# KiCad board RV523_CellTestBoard.final.kicad_pcb (continued)
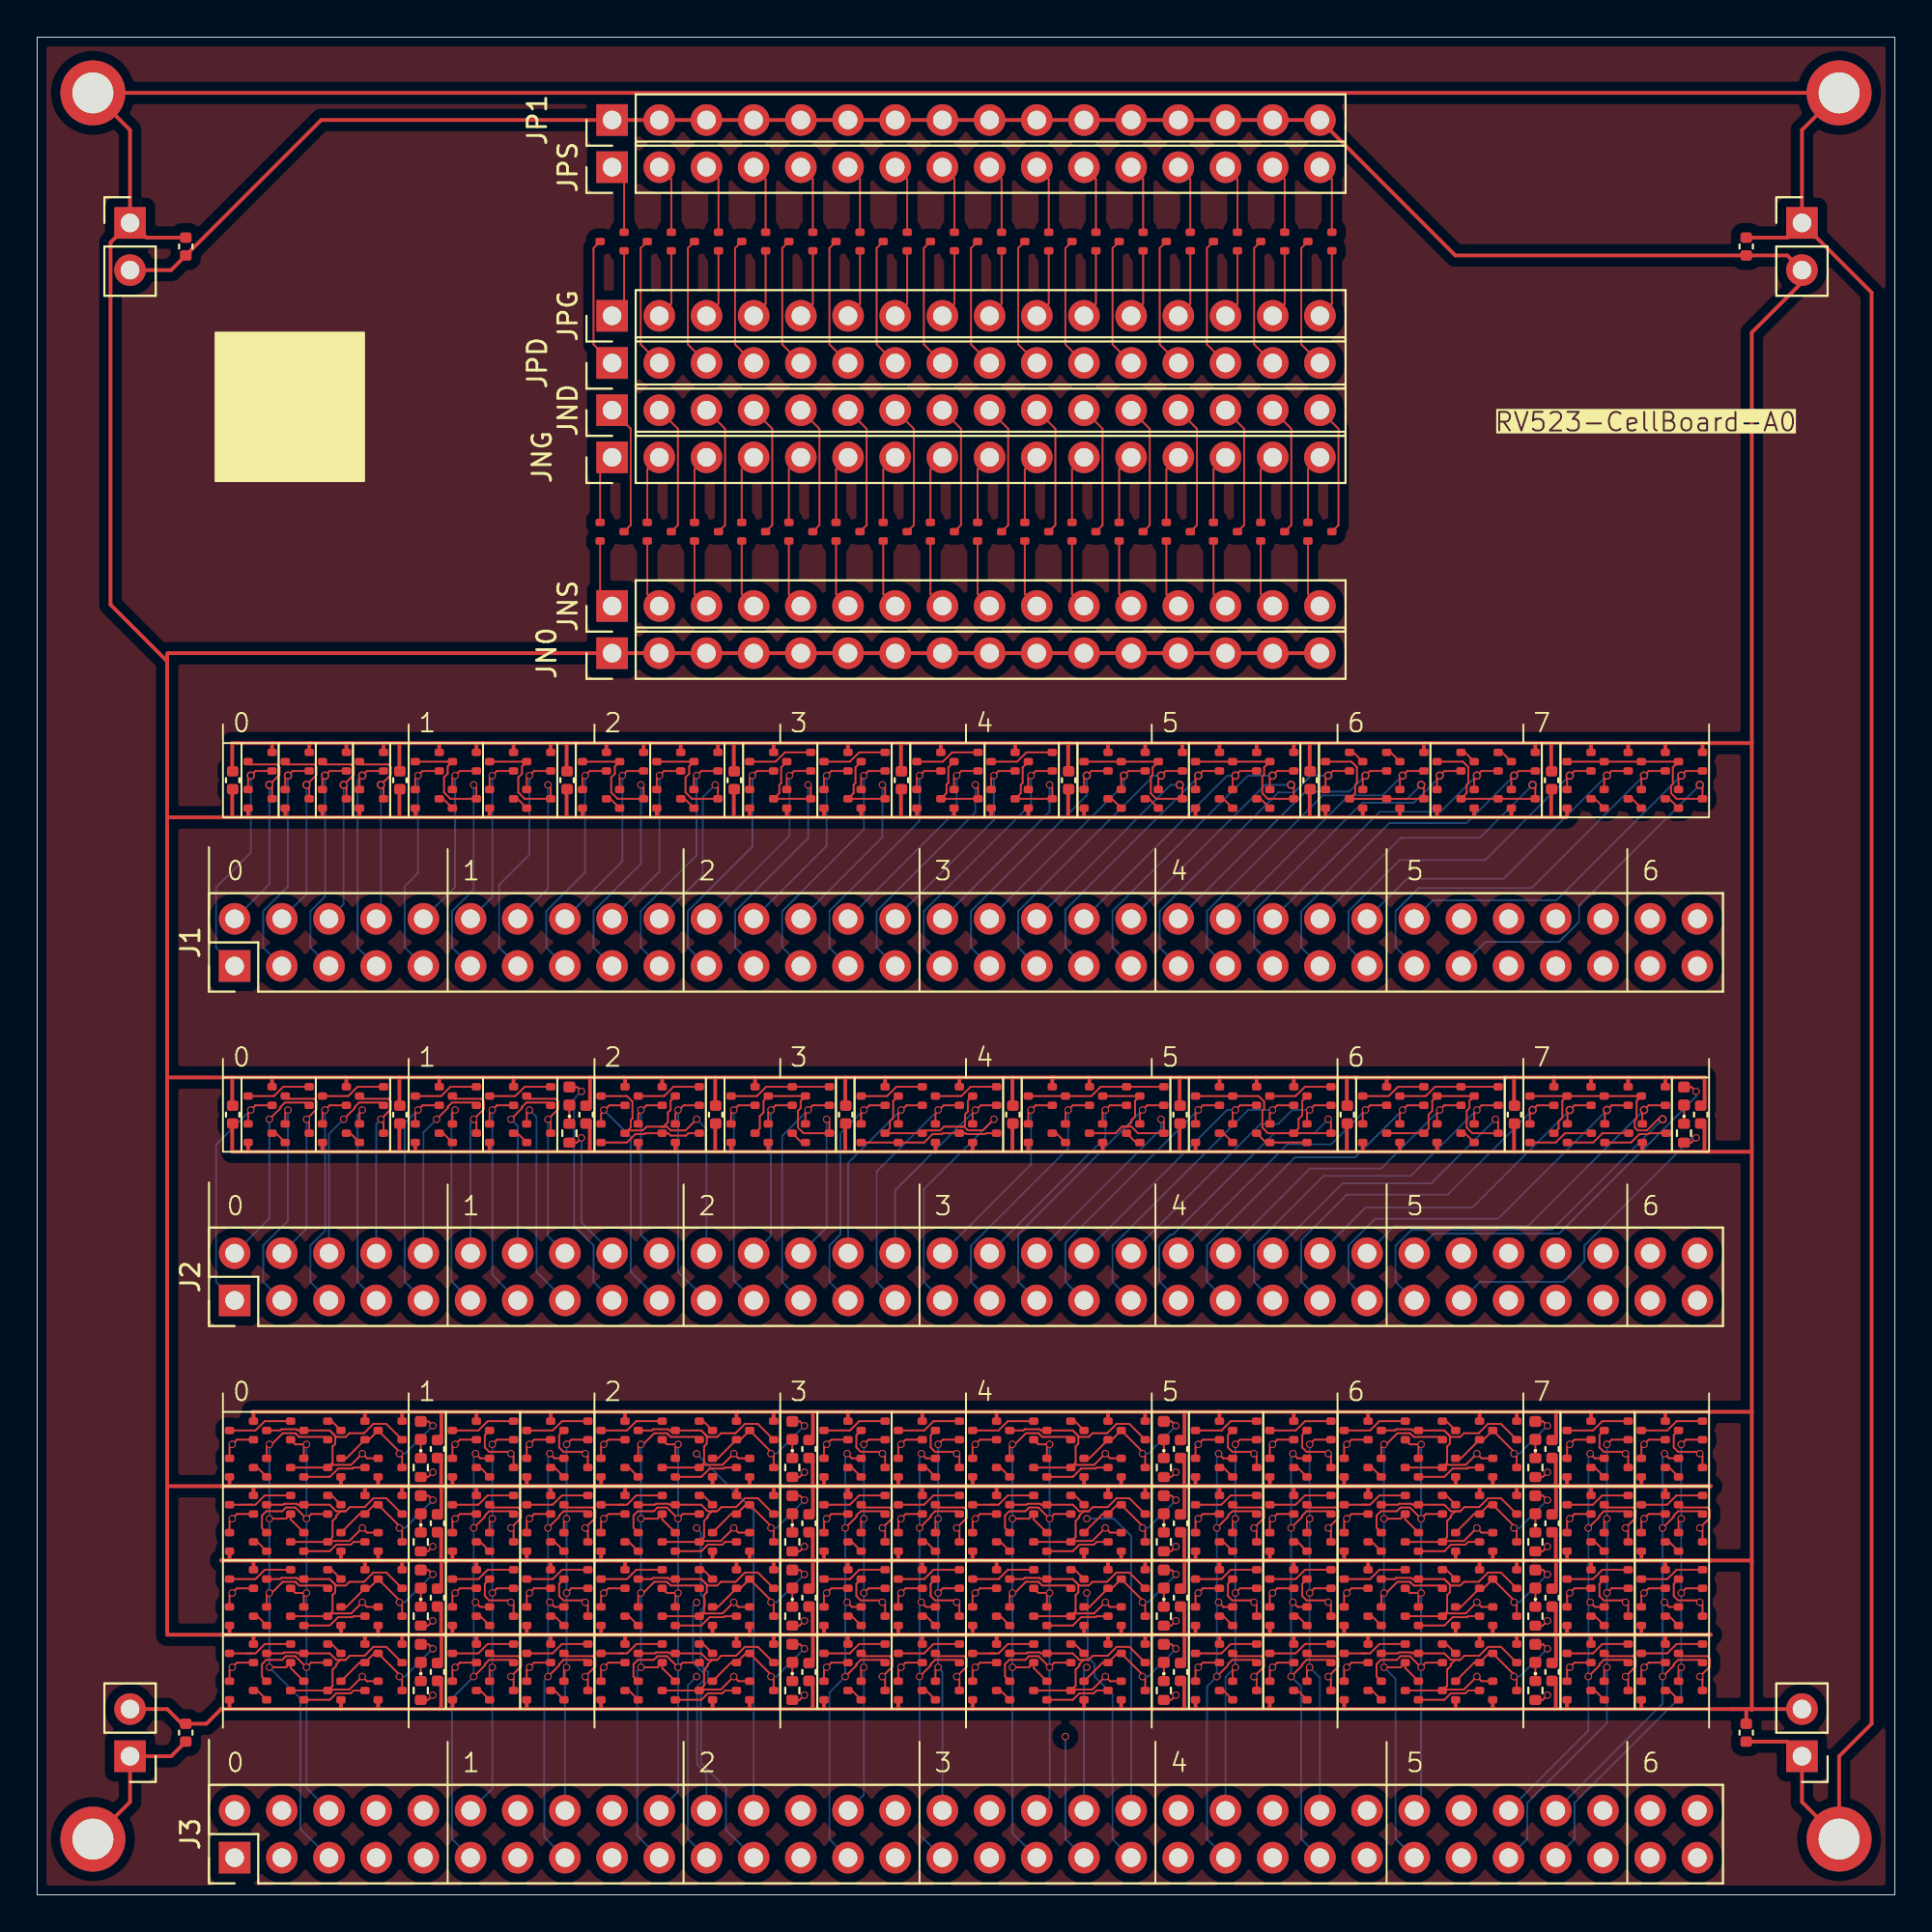
[diagram p0: board, top side]
## Placement (name value [footprint] x y rotation side) (continued)
genblk2[2].genblk1[2].R1.P2  PMOS  [SOT523]  65 17 180 top
genblk2[2].genblk1[2].R2.N1  NMOS  [SOT523]  67 15 0 top
genblk2[2].genblk1[2].R2.N2  NMOS  [SOT523]  69 15 0 top
genblk2[2].genblk1[2].R2.P1  PMOS  [SOT523]  67 17 180 top
genblk2[2].genblk1[2].R2.P2  PMOS  [SOT523]  69 17 180 top
genblk2[2].genblk1[3].D.DECAP.C  0.1u  [C_0402_1005Metric]  61.55 12 90 top
genblk2[2].genblk1[3].D.L  -  [LED_0402_1005Metric]  60.65 13 90 top
genblk2[2].genblk1[3].D.R  330  [R_0402_1005Metric]  60.65 11 270 top
genblk2[2].genblk1[3].L.NOT1.N1  NMOS  [SOT523]  51 13 180 top
genblk2[2].genblk1[3].L.NOT1.N2  NMOS  [SOT523]  53 13 180 top
genblk2[2].genblk1[3].L.NOT1.P1  PMOS  [SOT523]  51 11 0 top
genblk2[2].genblk1[3].L.NOT1.P2  PMOS  [SOT523]  53 11 0 top
genblk2[2].genblk1[3].L.NOT2.N1  NMOS  [SOT523]  59 13 180 top
genblk2[2].genblk1[3].L.NOT2.P1  PMOS  [SOT523]  59 11 0 top
genblk2[2].genblk1[3].L.NOT3.N1  NMOS  [SOT523]  57 13 180 top
genblk2[2].genblk1[3].L.NOT3.N2  NMOS  [SOT523]  55 13 180 top
genblk2[2].genblk1[3].L.NOT3.P1  PMOS  [SOT523]  57 11 0 top
genblk2[2].genblk1[3].L.NOT3.P2  PMOS  [SOT523]  55 11 0 top
genblk2[2].genblk1[3].R1.N1  NMOS  [SOT523]  63 13 180 top
genblk2[2].genblk1[3].R1.N2  NMOS  [SOT523]  65 13 180 top
genblk2[2].genblk1[3].R1.P1  PMOS  [SOT523]  63 11 0 top
genblk2[2].genblk1[3].R1.P2  PMOS  [SOT523]  65 11 0 top
genblk2[2].genblk1[3].R2.N1  NMOS  [SOT523]  67 13 180 top
genblk2[2].genblk1[3].R2.N2  NMOS  [SOT523]  69 13 180 top
genblk2[2].genblk1[3].R2.P1  PMOS  [SOT523]  67 11 0 top
genblk2[2].genblk1[3].R2.P2  PMOS  [SOT523]  69 11 0 top
genblk2[3].genblk1[0].D.DECAP.C  0.1u  [C_0402_1005Metric]  81.55 24 90 top
genblk2[3].genblk1[0].D.L  -  [LED_0402_1005Metric]  80.65 25 90 top
genblk2[3].genblk1[0].D.R  330  [R_0402_1005Metric]  80.65 23 270 top
genblk2[3].genblk1[0].L.NOT1.N1  NMOS  [SOT523]  71 23 0 top
genblk2[3].genblk1[0].L.NOT1.N2  NMOS  [SOT523]  73 23 0 top
genblk2[3].genblk1[0].L.NOT1.P1  PMOS  [SOT523]  71 25 180 top
genblk2[3].genblk1[0].L.NOT1.P2  PMOS  [SOT523]  73 25 180 top
genblk2[3].genblk1[0].L.NOT2.N1  NMOS  [SOT523]  79 23 0 top
genblk2[3].genblk1[0].L.NOT2.P1  PMOS  [SOT523]  79 25 180 top
genblk2[3].genblk1[0].L.NOT3.N1  NMOS  [SOT523]  77 23 0 top
genblk2[3].genblk1[0].L.NOT3.N2  NMOS  [SOT523]  75 23 0 top
genblk2[3].genblk1[0].L.NOT3.P1  PMOS  [SOT523]  77 25 180 top
genblk2[3].genblk1[0].L.NOT3.P2  PMOS  [SOT523]  75 25 180 top
genblk2[3].genblk1[0].R1.N1  NMOS  [SOT523]  83 23 0 top
genblk2[3].genblk1[0].R1.N2  NMOS  [SOT523]  85 23 0 top
genblk2[3].genblk1[0].R1.P1  PMOS  [SOT523]  83 25 180 top
genblk2[3].genblk1[0].R1.P2  PMOS  [SOT523]  85 25 180 top
genblk2[3].genblk1[0].R2.N1  NMOS  [SOT523]  87 23 0 top
genblk2[3].genblk1[0].R2.N2  NMOS  [SOT523]  89 23 0 top
genblk2[3].genblk1[0].R2.P1  PMOS  [SOT523]  87 25 180 top
genblk2[3].genblk1[0].R2.P2  PMOS  [SOT523]  89 25 180 top
genblk2[3].genblk1[1].D.DECAP.C  0.1u  [C_0402_1005Metric]  81.55 20 90 top
genblk2[3].genblk1[1].D.L  -  [LED_0402_1005Metric]  80.65 21 90 top
genblk2[3].genblk1[1].D.R  330  [R_0402_1005Metric]  80.65 19 270 top
genblk2[3].genblk1[1].L.NOT1.N1  NMOS  [SOT523]  71 21 180 top
genblk2[3].genblk1[1].L.NOT1.N2  NMOS  [SOT523]  73 21 180 top
genblk2[3].genblk1[1].L.NOT1.P1  PMOS  [SOT523]  71 19 0 top
genblk2[3].genblk1[1].L.NOT1.P2  PMOS  [SOT523]  73 19 0 top
genblk2[3].genblk1[1].L.NOT2.N1  NMOS  [SOT523]  79 21 180 top
genblk2[3].genblk1[1].L.NOT2.P1  PMOS  [SOT523]  79 19 0 top
genblk2[3].genblk1[1].L.NOT3.N1  NMOS  [SOT523]  77 21 180 top
genblk2[3].genblk1[1].L.NOT3.N2  NMOS  [SOT523]  75 21 180 top
genblk2[3].genblk1[1].L.NOT3.P1  PMOS  [SOT523]  77 19 0 top
genblk2[3].genblk1[1].L.NOT3.P2  PMOS  [SOT523]  75 19 0 top
genblk2[3].genblk1[1].R1.N1  NMOS  [SOT523]  83 21 180 top
genblk2[3].genblk1[1].R1.N2  NMOS  [SOT523]  85 21 180 top
genblk2[3].genblk1[1].R1.P1  PMOS  [SOT523]  83 19 0 top
genblk2[3].genblk1[1].R1.P2  PMOS  [SOT523]  85 19 0 top
genblk2[3].genblk1[1].R2.N1  NMOS  [SOT523]  87 21 180 top
genblk2[3].genblk1[1].R2.N2  NMOS  [SOT523]  89 21 180 top
genblk2[3].genblk1[1].R2.P1  PMOS  [SOT523]  87 19 0 top
genblk2[3].genblk1[1].R2.P2  PMOS  [SOT523]  89 19 0 top
genblk2[3].genblk1[2].D.DECAP.C  0.1u  [C_0402_1005Metric]  81.55 16 90 top
genblk2[3].genblk1[2].D.L  -  [LED_0402_1005Metric]  80.65 17 90 top
genblk2[3].genblk1[2].D.R  330  [R_0402_1005Metric]  80.65 15 270 top
genblk2[3].genblk1[2].L.NOT1.N1  NMOS  [SOT523]  71 15 0 top
genblk2[3].genblk1[2].L.NOT1.N2  NMOS  [SOT523]  73 15 0 top
genblk2[3].genblk1[2].L.NOT1.P1  PMOS  [SOT523]  71 17 180 top
genblk2[3].genblk1[2].L.NOT1.P2  PMOS  [SOT523]  73 17 180 top
genblk2[3].genblk1[2].L.NOT2.N1  NMOS  [SOT523]  79 15 0 top
genblk2[3].genblk1[2].L.NOT2.P1  PMOS  [SOT523]  79 17 180 top
genblk2[3].genblk1[2].L.NOT3.N1  NMOS  [SOT523]  77 15 0 top
genblk2[3].genblk1[2].L.NOT3.N2  NMOS  [SOT523]  75 15 0 top
genblk2[3].genblk1[2].L.NOT3.P1  PMOS  [SOT523]  77 17 180 top
genblk2[3].genblk1[2].L.NOT3.P2  PMOS  [SOT523]  75 17 180 top
genblk2[3].genblk1[2].R1.N1  NMOS  [SOT523]  83 15 0 top
genblk2[3].genblk1[2].R1.N2  NMOS  [SOT523]  85 15 0 top
genblk2[3].genblk1[2].R1.P1  PMOS  [SOT523]  83 17 180 top
genblk2[3].genblk1[2].R1.P2  PMOS  [SOT523]  85 17 180 top
genblk2[3].genblk1[2].R2.N1  NMOS  [SOT523]  87 15 0 top
genblk2[3].genblk1[2].R2.N2  NMOS  [SOT523]  89 15 0 top
genblk2[3].genblk1[2].R2.P1  PMOS  [SOT523]  87 17 180 top
genblk2[3].genblk1[2].R2.P2  PMOS  [SOT523]  89 17 180 top
genblk2[3].genblk1[3].D.DECAP.C  0.1u  [C_0402_1005Metric]  81.55 12 90 top
genblk2[3].genblk1[3].D.L  -  [LED_0402_1005Metric]  80.65 13 90 top
genblk2[3].genblk1[3].D.R  330  [R_0402_1005Metric]  80.65 11 270 top
genblk2[3].genblk1[3].L.NOT1.N1  NMOS  [SOT523]  71 13 180 top
genblk2[3].genblk1[3].L.NOT1.N2  NMOS  [SOT523]  73 13 180 top
genblk2[3].genblk1[3].L.NOT1.P1  PMOS  [SOT523]  71 11 0 top
genblk2[3].genblk1[3].L.NOT1.P2  PMOS  [SOT523]  73 11 0 top
genblk2[3].genblk1[3].L.NOT2.N1  NMOS  [SOT523]  79 13 180 top
genblk2[3].genblk1[3].L.NOT2.P1  PMOS  [SOT523]  79 11 0 top
genblk2[3].genblk1[3].L.NOT3.N1  NMOS  [SOT523]  77 13 180 top
genblk2[3].genblk1[3].L.NOT3.N2  NMOS  [SOT523]  75 13 180 top
genblk2[3].genblk1[3].L.NOT3.P1  PMOS  [SOT523]  77 11 0 top
genblk2[3].genblk1[3].L.NOT3.P2  PMOS  [SOT523]  75 11 0 top
genblk2[3].genblk1[3].R1.N1  NMOS  [SOT523]  83 13 180 top
genblk2[3].genblk1[3].R1.N2  NMOS  [SOT523]  85 13 180 top
genblk2[3].genblk1[3].R1.P1  PMOS  [SOT523]  83 11 0 top
genblk2[3].genblk1[3].R1.P2  PMOS  [SOT523]  85 11 0 top
genblk2[3].genblk1[3].R2.N1  NMOS  [SOT523]  87 13 180 top
genblk2[3].genblk1[3].R2.N2  NMOS  [SOT523]  89 13 180 top
genblk2[3].genblk1[3].R2.P1  PMOS  [SOT523]  87 11 0 top
genblk2[3].genblk1[3].R2.P2  PMOS  [SOT523]  89 11 0 top
J1  -  [PinHeader_2x32_P2.54mm_Vertical]  10.63 50 90 top
J2  -  [PinHeader_2x32_P2.54mm_Vertical]  10.63 32 90 top
J3  -  [PinHeader_2x32_P2.54mm_Vertical]  10.63 2 90 top
JN0  -  [PinHeader_1x16_P2.54mm_Vertical]  30.95 66.84 90 top
JND  -  [PinHeader_1x16_P2.54mm_Vertical]  30.95 79.92 90 top
JNG  -  [PinHeader_1x16_P2.54mm_Vertical]  30.95 77.38 90 top
JNS  -  [PinHeader_1x16_P2.54mm_Vertical]  30.95 69.38 90 top
JP1  -  [PinHeader_1x16_P2.54mm_Vertical]  30.95 95.54 90 top
JPD  -  [PinHeader_1x16_P2.54mm_Vertical]  30.95 82.46 90 top
JPG  -  [PinHeader_1x16_P2.54mm_Vertical]  30.95 85 90 top
JPS  -  [PinHeader_1x16_P2.54mm_Vertical]  30.95 93 90 top
JSupply1  -  [PinHeader_1x02_P2.54mm_Vertical]  5 90 0 top
JSupply2  -  [PinHeader_1x02_P2.54mm_Vertical]  95 90 0 top
JSupply3  -  [PinHeader_1x02_P2.54mm_Vertical]  5 7.46 180 top
JSupply4  -  [PinHeader_1x02_P2.54mm_Vertical]  95 7.46 180 top
NAND2_1.N1  NMOS  [SOT523]  21 59 0 top
NAND2_1.N2  NMOS  [SOT523]  23 59 0 top
NAND2_1.P1  PMOS  [SOT523]  21 61 180 top
NAND2_1.P2  PMOS  [SOT523]  23 61 180 top
NAND2_2.N1  NMOS  [SOT523]  25 59 0 top
NAND2_2.N2  NMOS  [SOT523]  27 59 0 top
NAND2_2.P1  PMOS  [SOT523]  25 61 180 top
NAND2_2.P2  PMOS  [SOT523]  27 61 180 top
NAND2_3.N1  NMOS  [SOT523]  30 59 0 top
NAND2_3.N2  NMOS  [SOT523]  32 59 0 top
NAND2_3.P1  PMOS  [SOT523]  30 61 180 top
NAND2_3.P2  PMOS  [SOT523]  32 61 180 top
NAND2_4.N1  NMOS  [SOT523]  34 59 0 top
NAND2_4.N2  NMOS  [SOT523]  36 59 0 top
NAND2_4.P1  PMOS  [SOT523]  34 61 180 top
NAND2_4.P2  PMOS  [SOT523]  36 61 180 top
NAND3_1.N1  NMOS  [SOT523]  57 59 0 top
NAND3_1.N2  NMOS  [SOT523]  59 59 0 top
NAND3_1.N3  NMOS  [SOT523]  61 59 0 top
NAND3_1.P1  PMOS  [SOT523]  57 61 180 top
NAND3_1.P2  PMOS  [SOT523]  59 61 180 top
NAND3_1.P3  PMOS  [SOT523]  61 61 180 top
NAND3_2.N1  NMOS  [SOT523]  63 59 0 top
NAND3_2.N2  NMOS  [SOT523]  65 59 0 top
NAND3_2.N3  NMOS  [SOT523]  67 59 0 top
NAND3_2.P1  PMOS  [SOT523]  63 61 180 top
NAND3_2.P2  PMOS  [SOT523]  65 61 180 top
NAND3_2.P3  PMOS  [SOT523]  67 61 180 top
NAND4_1.N1  NMOS  [SOT523]  83 59 0 top
NAND4_1.N2  NMOS  [SOT523]  85 59 0 top
NAND4_1.N3  NMOS  [SOT523]  87 59 0 top
NAND4_1.N4  NMOS  [SOT523]  89 59 0 top
NAND4_1.P1  PMOS  [SOT523]  83 61 180 top
NAND4_1.P2  PMOS  [SOT523]  85 61 180 top
NAND4_1.P3  PMOS  [SOT523]  87 61 180 top
NAND4_1.P4  PMOS  [SOT523]  89 61 180 top
NOR2_1.N1  NMOS  [SOT523]  39 59 0 top
NOR2_1.N2  NMOS  [SOT523]  41 59 0 top
NOR2_1.P1  PMOS  [SOT523]  39 61 180 top
NOR2_1.P2  PMOS  [SOT523]  41 61 180 top
NOR2_2.N1  NMOS  [SOT523]  43 59 0 top
NOR2_2.N2  NMOS  [SOT523]  45 59 0 top
NOR2_2.P1  PMOS  [SOT523]  43 61 180 top
NOR2_2.P2  PMOS  [SOT523]  45 61 180 top
NOR2_3.N1  NMOS  [SOT523]  48 59 0 top
NOR2_3.N2  NMOS  [SOT523]  50 59 0 top
NOR2_3.P1  PMOS  [SOT523]  48 61 180 top
NOR2_3.P2  PMOS  [SOT523]  50 61 180 top
NOR2_4.N1  NMOS  [SOT523]  52 59 0 top
NOR2_4.N2  NMOS  [SOT523]  54 59 0 top
NOR2_4.P1  PMOS  [SOT523]  52 61 180 top
NOR2_4.P2  PMOS  [SOT523]  54 61 180 top
NOR3_1.N1  NMOS  [SOT523]  70 59 0 top
NOR3_1.N2  NMOS  [SOT523]  72 59 0 top
NOR3_1.N3  NMOS  [SOT523]  74 59 0 top
NOR3_1.P1  PMOS  [SOT523]  70 61 180 top
NOR3_1.P2  PMOS  [SOT523]  72 61 180 top
NOR3_1.P3  PMOS  [SOT523]  74 61 180 top
NOR3_2.N1  NMOS  [SOT523]  76 59 0 top
NOR3_2.N2  NMOS  [SOT523]  78 59 0 top
NOR3_2.N3  NMOS  [SOT523]  80 59 0 top
NOR3_2.P1  PMOS  [SOT523]  76 61 180 top
NOR3_2.P2  PMOS  [SOT523]  78 61 180 top
NOR3_2.P3  PMOS  [SOT523]  80 61 180 top
NOR4_1.N1  NMOS  [SOT523]  81 43 180 top
NOR4_1.N2  NMOS  [SOT523]  83 43 180 top
NOR4_1.N3  NMOS  [SOT523]  85 43 180 top
NOR4_1.N4  NMOS  [SOT523]  87 43 180 top
NOR4_1.P1  PMOS  [SOT523]  81 41 0 top
NOR4_1.P2  PMOS  [SOT523]  83.02 41 0 top
NOR4_1.P3  PMOS  [SOT523]  85.03 41 0 top
NOR4_1.P4  PMOS  [SOT523]  87.05 41 0 top
NOT_1.N1  NMOS  [SOT523]  12 59 0 top
NOT_1.P1  PMOS  [SOT523]  12 61 180 top
NOT_2.N1  NMOS  [SOT523]  14 59 0 top
NOT_2.P1  PMOS  [SOT523]  14 61 180 top
NOT_3.N1  NMOS  [SOT523]  16 59 0 top
NOT_3.P1  PMOS  [SOT523]  16 61 180 top
NOT_4.N1  NMOS  [SOT523]  18 59 0 top
NOT_4.P1  PMOS  [SOT523]  18 61 180 top
OAI21_1.N1  NMOS  [SOT523]  38 43 180 top
OAI21_1.N2  NMOS  [SOT523]  40 43 180 top
OAI21_1.N3  NMOS  [SOT523]  42 43 180 top
OAI21_1.P1  PMOS  [SOT523]  38 41 0 top
OAI21_1.P2  PMOS  [SOT523]  40 41 0 top
OAI21_1.P3  PMOS  [SOT523]  42 41 0 top
OAI22_1.N1  NMOS  [SOT523]  54 43 180 top
OAI22_1.N2  NMOS  [SOT523]  56 43 180 top
OAI22_1.N3  NMOS  [SOT523]  58 43 180 top
OAI22_1.N4  NMOS  [SOT523]  60 43 180 top
OAI22_1.P1  PMOS  [SOT523]  54 41 0 top
OAI22_1.P2  PMOS  [SOT523]  56 41 0 top
OAI22_1.P3  PMOS  [SOT523]  58 41 0 top
OAI22_1.P4  PMOS  [SOT523]  60 41 0 top
OAI211_1.N1  NMOS  [SOT523]  72 43 180 top
OAI211_1.N2  NMOS  [SOT523]  74 43 180 top
OAI211_1.N3  NMOS  [SOT523]  76 43 180 top
OAI211_1.N4  NMOS  [SOT523]  78 43 180 top
OAI211_1.P1  PMOS  [SOT523]  72 41 0 top
OAI211_1.P2  PMOS  [SOT523]  74 41 0 top
OAI211_1.P3  PMOS  [SOT523]  76 41 0 top
OAI211_1.P4  PMOS  [SOT523]  78 41 0 top
REF**  -  [MountingHole_2.2mm_M2_ISO7380_Pad]  97 97 0 top
REF**#2  -  [MountingHole_2.2mm_M2_ISO7380_Pad]  3 3 0 top
REF**#3  -  [MountingHole_2.2mm_M2_ISO7380_Pad]  3 97 0 top
REF**#4  -  [MountingHole_2.2mm_M2_ISO7380_Pad]  97 3 0 top
TINV_1.N1  NMOS  [SOT523]  12 43 180 top
TINV_1.N2  NMOS  [SOT523]  14 43 180 top
TINV_1.P1  PMOS  [SOT523]  12 41 0 top
TINV_1.P2  PMOS  [SOT523]  14 41 0 top
TINV_2.N1  NMOS  [SOT523]  16 43 180 top
TINV_2.N2  NMOS  [SOT523]  18 43 180 top
TINV_2.P1  PMOS  [SOT523]  16 41 0 top
TINV_2.P2  PMOS  [SOT523]  18 41 0 top
TINV_3.N1  NMOS  [SOT523]  21 43 180 top
TINV_3.N2  NMOS  [SOT523]  23 43 180 top
TINV_3.P1  PMOS  [SOT523]  21 41 0 top
TINV_3.P2  PMOS  [SOT523]  23 41 0 top
TINV_4.N1  NMOS  [SOT523]  25 43 180 top
TINV_4.N2  NMOS  [SOT523]  27 43 180 top
TINV_4.P1  PMOS  [SOT523]  25 41 0 top
TINV_4.P2  PMOS  [SOT523]  27 41 0 top

## Library data of the parts
AOI21_1.N1-AOI21_1.N3 AOI22_1.N1-AOI22_1.N4 AOI211_1.N1-AOI211_1.N4 genblk1[1].N genblk1[2].N genblk1[3].N genblk1[4].N genblk1[5].N genblk1[6].N genblk1[7].N genblk1[8].N genblk1[9].N genblk1[10].N genblk1[11].N genblk1[12].N genblk1[13].N genblk1[14].N genblk1[15].N genblk1[16].N genblk2[0].genblk1[0].L.NOT1.N1 genblk2[0].genblk1[0].L.NOT1.N2 genblk2[0].genblk1[0].L.NOT2.N1 genblk2[0].genblk1[0].L.NOT3.N1 genblk2[0].genblk1[0].L.NOT3.N2 genblk2[0].genblk1[0].R1.N1 genblk2[0].genblk1[0].R1.N2 genblk2[0].genblk1[0].R2.N1 genblk2[0].genblk1[0].R2.N2 genblk2[0].genblk1[1].L.NOT1.N1 genblk2[0].genblk1[1].L.NOT1.N2 genblk2[0].genblk1[1].L.NOT2.N1 genblk2[0].genblk1[1].L.NOT3.N1 genblk2[0].genblk1[1].L.NOT3.N2 genblk2[0].genblk1[1].R1.N1 genblk2[0].genblk1[1].R1.N2 genblk2[0].genblk1[1].R2.N1 genblk2[0].genblk1[1].R2.N2 genblk2[0].genblk1[2].L.NOT1.N1 genblk2[0].genblk1[2].L.NOT1.N2 genblk2[0].genblk1[2].L.NOT2.N1 genblk2[0].genblk1[2].L.NOT3.N1 genblk2[0].genblk1[2].L.NOT3.N2 genblk2[0].genblk1[2].R1.N1 genblk2[0].genblk1[2].R1.N2 genblk2[0].genblk1[2].R2.N1 genblk2[0].genblk1[2].R2.N2 genblk2[0].genblk1[3].L.NOT1.N1 genblk2[0].genblk1[3].L.NOT1.N2 genblk2[0].genblk1[3].L.NOT2.N1 genblk2[0].genblk1[3].L.NOT3.N1 genblk2[0].genblk1[3].L.NOT3.N2 genblk2[0].genblk1[3].R1.N1 genblk2[0].genblk1[3].R1.N2 genblk2[0].genblk1[3].R2.N1 genblk2[0].genblk1[3].R2.N2 genblk2[1].genblk1[0].L.NOT1.N1 genblk2[1].genblk1[0].L.NOT1.N2 genblk2[1].genblk1[0].L.NOT2.N1 genblk2[1].genblk1[0].L.NOT3.N1 genblk2[1].genblk1[0].L.NOT3.N2 genblk2[1].genblk1[0].R1.N1 genblk2[1].genblk1[0].R1.N2 genblk2[1].genblk1[0].R2.N1 genblk2[1].genblk1[0].R2.N2 genblk2[1].genblk1[1].L.NOT1.N1 genblk2[1].genblk1[1].L.NOT1.N2 genblk2[1].genblk1[1].L.NOT2.N1 genblk2[1].genblk1[1].L.NOT3.N1 genblk2[1].genblk1[1].L.NOT3.N2 genblk2[1].genblk1[1].R1.N1 genblk2[1].genblk1[1].R1.N2 genblk2[1].genblk1[1].R2.N1 genblk2[1].genblk1[1].R2.N2 genblk2[1].genblk1[2].L.NOT1.N1 genblk2[1].genblk1[2].L.NOT1.N2 genblk2[1].genblk1[2].L.NOT2.N1 genblk2[1].genblk1[2].L.NOT3.N1 genblk2[1].genblk1[2].L.NOT3.N2 genblk2[1].genblk1[2].R1.N1 genblk2[1].genblk1[2].R1.N2 genblk2[1].genblk1[2].R2.N1 genblk2[1].genblk1[2].R2.N2 genblk2[1].genblk1[3].L.NOT1.N1 genblk2[1].genblk1[3].L.NOT1.N2 genblk2[1].genblk1[3].L.NOT2.N1 genblk2[1].genblk1[3].L.NOT3.N1 genblk2[1].genblk1[3].L.NOT3.N2 genblk2[1].genblk1[3].R1.N1 genblk2[1].genblk1[3].R1.N2 genblk2[1].genblk1[3].R2.N1 genblk2[1].genblk1[3].R2.N2 genblk2[2].genblk1[0].L.NOT1.N1 genblk2[2].genblk1[0].L.NOT1.N2 genblk2[2].genblk1[0].L.NOT2.N1 genblk2[2].genblk1[0].L.NOT3.N1 genblk2[2].genblk1[0].L.NOT3.N2 genblk2[2].genblk1[0].R1.N1 genblk2[2].genblk1[0].R1.N2 genblk2[2].genblk1[0].R2.N1 genblk2[2].genblk1[0].R2.N2 genblk2[2].genblk1[1].L.NOT1.N1 genblk2[2].genblk1[1].L.NOT1.N2 genblk2[2].genblk1[1].L.NOT2.N1 genblk2[2].genblk1[1].L.NOT3.N1 genblk2[2].genblk1[1].L.NOT3.N2 genblk2[2].genblk1[1].R1.N1 genblk2[2].genblk1[1].R1.N2 genblk2[2].genblk1[1].R2.N1 genblk2[2].genblk1[1].R2.N2 genblk2[2].genblk1[2].L.NOT1.N1 genblk2[2].genblk1[2].L.NOT1.N2 genblk2[2].genblk1[2].L.NOT2.N1 genblk2[2].genblk1[2].L.NOT3.N1 genblk2[2].genblk1[2].L.NOT3.N2 genblk2[2].genblk1[2].R1.N1 genblk2[2].genblk1[2].R1.N2 genblk2[2].genblk1[2].R2.N1 genblk2[2].genblk1[2].R2.N2 genblk2[2].genblk1[3].L.NOT1.N1 genblk2[2].genblk1[3].L.NOT1.N2 genblk2[2].genblk1[3].L.NOT2.N1 genblk2[2].genblk1[3].L.NOT3.N1 genblk2[2].genblk1[3].L.NOT3.N2 genblk2[2].genblk1[3].R1.N1 genblk2[2].genblk1[3].R1.N2 genblk2[2].genblk1[3].R2.N1 genblk2[2].genblk1[3].R2.N2 genblk2[3].genblk1[0].L.NOT1.N1 genblk2[3].genblk1[0].L.NOT1.N2 genblk2[3].genblk1[0].L.NOT2.N1 genblk2[3].genblk1[0].L.NOT3.N1 genblk2[3].genblk1[0].L.NOT3.N2 genblk2[3].genblk1[0].R1.N1 genblk2[3].genblk1[0].R1.N2 genblk2[3].genblk1[0].R2.N1 genblk2[3].genblk1[0].R2.N2 genblk2[3].genblk1[1].L.NOT1.N1 genblk2[3].genblk1[1].L.NOT1.N2 genblk2[3].genblk1[1].L.NOT2.N1 genblk2[3].genblk1[1].L.NOT3.N1 genblk2[3].genblk1[1].L.NOT3.N2 genblk2[3].genblk1[1].R1.N1 genblk2[3].genblk1[1].R1.N2 genblk2[3].genblk1[1].R2.N1 genblk2[3].genblk1[1].R2.N2 genblk2[3].genblk1[2].L.NOT1.N1 genblk2[3].genblk1[2].L.NOT1.N2 genblk2[3].genblk1[2].L.NOT2.N1 genblk2[3].genblk1[2].L.NOT3.N1 genblk2[3].genblk1[2].L.NOT3.N2 genblk2[3].genblk1[2].R1.N1 genblk2[3].genblk1[2].R1.N2 genblk2[3].genblk1[2].R2.N1 genblk2[3].genblk1[2].R2.N2 genblk2[3].genblk1[3].L.NOT1.N1 genblk2[3].genblk1[3].L.NOT1.N2 genblk2[3].genblk1[3].L.NOT2.N1 genblk2[3].genblk1[3].L.NOT3.N1 genblk2[3].genblk1[3].L.NOT3.N2 genblk2[3].genblk1[3].R1.N1 genblk2[3].genblk1[3].R1.N2 genblk2[3].genblk1[3].R2.N1 genblk2[3].genblk1[3].R2.N2 NAND2_1.N1 NAND2_1.N2 NAND2_2.N1 NAND2_2.N2 NAND2_3.N1 NAND2_3.N2 NAND2_4.N1 NAND2_4.N2 NAND3_1.N1-NAND3_1.N3 NAND3_2.N1-NAND3_2.N3 NAND4_1.N1-NAND4_1.N4 NOR2_1.N1 NOR2_1.N2 NOR2_2.N1 NOR2_2.N2 NOR2_3.N1 NOR2_3.N2 NOR2_4.N1 NOR2_4.N2 NOR3_1.N1-NOR3_1.N3 NOR3_2.N1-NOR3_2.N3 NOR4_1.N1-NOR4_1.N4 NOT_1.N1 NOT_2.N1 NOT_3.N1 NOT_4.N1 OAI21_1.N1-OAI21_1.N3 OAI22_1.N1-OAI22_1.N4 OAI211_1.N1-OAI211_1.N4 TINV_1.N1 TINV_1.N2 TINV_2.N1 TINV_2.N2 TINV_3.N1 TINV_3.N2 TINV_4.N1 TINV_4.N2 = -: LCSC: C7507460

## Footprints (pads in the part's own frame, mm; a bottom-side part is the same pattern mirrored in y, then rotated)
C_0402_1005Metric
  rrect 0.56x0.62 smd: 1(-0.48,0) 2(0.48,0)
LED_0402_1005Metric
  rrect 0.59x0.64 smd: 1(-0.485,0) 2(0.485,0)
MountingHole_2.2mm_M2_ISO7380_Pad
  round 3.5 hole 2.2: 1(0,0)
PinHeader_1x02_P2.54mm_Vertical
  rect 1.7x1.7 hole 1: 1(0,0)
  round 1.7 hole 1: 2(0,-2.54)
PinHeader_1x16_P2.54mm_Vertical
  rect 1.7x1.7 hole 1: 1(0,0)
  round 1.7 hole 1: 2(0,-2.54) 3(0,-5.08) 4(0,-7.62) 5(0,-10.16) 6(0,-12.7) 7(0,-15.24) 8(0,-17.78) 9(0,-20.32) 10(0,-22.86) 11(0,-25.4) 12(0,-27.94) 13(0,-30.48) 14(0,-33.02) 15(0,-35.56) 16(0,-38.1)
PinHeader_2x32_P2.54mm_Vertical
  rect 1.7x1.7 hole 1: 1(0,0)
  round 1.7 hole 1: 2(2.54,0) 3(0,-2.54) 4(2.54,-2.54) 5(0,-5.08) 6(2.54,-5.08) 7(0,-7.62) 8(2.54,-7.62) 9(0,-10.16) 10(2.54,-10.16) 11(0,-12.7) 12(2.54,-12.7) 13(0,-15.24) 14(2.54,-15.24) 15(0,-17.78) 16(2.54,-17.78) 17(0,-20.32) 18(2.54,-20.32) 19(0,-22.86) 20(2.54,-22.86) 21(0,-25.4) 22(2.54,-25.4) 23(0,-27.94) 24(2.54,-27.94) 25(0,-30.48) 26(2.54,-30.48) 27(0,-33.02) 28(2.54,-33.02) 29(0,-35.56) 30(2.54,-35.56) 31(0,-38.1) 32(2.54,-38.1) 33(0,-40.64) 34(2.54,-40.64) 35(0,-43.18) 36(2.54,-43.18) 37(0,-45.72) 38(2.54,-45.72) 39(0,-48.26) 40(2.54,-48.26) 41(0,-50.8) 42(2.54,-50.8) 43(0,-53.34) 44(2.54,-53.34) 45(0,-55.88) 46(2.54,-55.88) 47(0,-58.42) 48(2.54,-58.42) 49(0,-60.96) 50(2.54,-60.96) 51(0,-63.5) 52(2.54,-63.5) 53(0,-66.04) 54(2.54,-66.04) 55(0,-68.58) 56(2.54,-68.58) 57(0,-71.12) 58(2.54,-71.12) 59(0,-73.66) 60(2.54,-73.66) 61(0,-76.2) 62(2.54,-76.2) 63(0,-78.74) 64(2.54,-78.74)
R_0402_1005Metric
  rrect 0.54x0.64 smd: 1(-0.51,0) 2(0.51,0)
SOT523
  rrect 0.5x0.399 smd: 1(-0.645,0.5) 2(-0.645,-0.5) 3(0.645,0)

## Nets
GND: AOI21_1.N1.2 AOI21_1.N2.2 AOI22_1.N1.2 AOI22_1.N3.2 AOI211_1.N1.2 AOI211_1.N2.2 AOI211_1.N3.2 DECAP1.2 DECAP2.2 DECAP3.2 DECAP4.2 DECAP_1.C.1 DECAP_2.C.1 DECAP_3.C.1 DECAP_4.C.1 DECAP_5.C.1 DECAP_6.C.1 DECAP_7.C.1 DECAP_8.C.1 DECAP_10.C.1 DECAP_11.C.1 DECAP_13.C.1 DECAP_14.C.1 DECAP_15.C.1 DECAP_16.C.1 DECAP_17.C.1 DECAP_18.C.1 DECAP_LED_12.DECAP.C.2 DECAP_LED_19.DECAP.C.2 genblk2[0].genblk1[0].D.DECAP.C.1 genblk2[0].genblk1[0].L.NOT1.N1.2 genblk2[0].genblk1[0].L.NOT2.N1.2 genblk2[0].genblk1[0].L.NOT3.N1.2 genblk2[0].genblk1[0].R1.N1.2 genblk2[0].genblk1[0].R2.N1.2 genblk2[0].genblk1[1].D.DECAP.C.2 genblk2[0].genblk1[1].L.NOT1.N1.2 genblk2[0].genblk1[1].L.NOT2.N1.2 genblk2[0].genblk1[1].L.NOT3.N1.2 genblk2[0].genblk1[1].R1.N1.2 genblk2[0].genblk1[1].R2.N1.2 genblk2[0].genblk1[2].D.DECAP.C.1 genblk2[0].genblk1[2].L.NOT1.N1.2 genblk2[0].genblk1[2].L.NOT2.N1.2 genblk2[0].genblk1[2].L.NOT3.N1.2 genblk2[0].genblk1[2].R1.N1.2 genblk2[0].genblk1[2].R2.N1.2 genblk2[0].genblk1[3].D.DECAP.C.2 genblk2[0].genblk1[3].L.NOT1.N1.2 genblk2[0].genblk1[3].L.NOT2.N1.2 genblk2[0].genblk1[3].L.NOT3.N1.2 genblk2[0].genblk1[3].R1.N1.2 genblk2[0].genblk1[3].R2.N1.2 genblk2[1].genblk1[0].D.DECAP.C.1 genblk2[1].genblk1[0].L.NOT1.N1.2 genblk2[1].genblk1[0].L.NOT2.N1.2 genblk2[1].genblk1[0].L.NOT3.N1.2 genblk2[1].genblk1[0].R1.N1.2 genblk2[1].genblk1[0].R2.N1.2 genblk2[1].genblk1[1].D.DECAP.C.2 genblk2[1].genblk1[1].L.NOT1.N1.2 genblk2[1].genblk1[1].L.NOT2.N1.2 genblk2[1].genblk1[1].L.NOT3.N1.2 genblk2[1].genblk1[1].R1.N1.2 genblk2[1].genblk1[1].R2.N1.2 genblk2[1].genblk1[2].D.DECAP.C.1 genblk2[1].genblk1[2].L.NOT1.N1.2 genblk2[1].genblk1[2].L.NOT2.N1.2 genblk2[1].genblk1[2].L.NOT3.N1.2 genblk2[1].genblk1[2].R1.N1.2 genblk2[1].genblk1[2].R2.N1.2 genblk2[1].genblk1[3].D.DECAP.C.2 genblk2[1].genblk1[3].L.NOT1.N1.2 genblk2[1].genblk1[3].L.NOT2.N1.2 genblk2[1].genblk1[3].L.NOT3.N1.2 genblk2[1].genblk1[3].R1.N1.2 genblk2[1].genblk1[3].R2.N1.2 genblk2[2].genblk1[0].D.DECAP.C.1 genblk2[2].genblk1[0].L.NOT1.N1.2 genblk2[2].genblk1[0].L.NOT2.N1.2 genblk2[2].genblk1[0].L.NOT3.N1.2 genblk2[2].genblk1[0].R1.N1.2 genblk2[2].genblk1[0].R2.N1.2 genblk2[2].genblk1[1].D.DECAP.C.2 genblk2[2].genblk1[1].L.NOT1.N1.2 genblk2[2].genblk1[1].L.NOT2.N1.2 genblk2[2].genblk1[1].L.NOT3.N1.2 genblk2[2].genblk1[1].R1.N1.2 genblk2[2].genblk1[1].R2.N1.2 genblk2[2].genblk1[2].D.DECAP.C.1 genblk2[2].genblk1[2].L.NOT1.N1.2 genblk2[2].genblk1[2].L.NOT2.N1.2 genblk2[2].genblk1[2].L.NOT3.N1.2 genblk2[2].genblk1[2].R1.N1.2 genblk2[2].genblk1[2].R2.N1.2 genblk2[2].genblk1[3].D.DECAP.C.2 genblk2[2].genblk1[3].L.NOT1.N1.2 genblk2[2].genblk1[3].L.NOT2.N1.2 genblk2[2].genblk1[3].L.NOT3.N1.2 genblk2[2].genblk1[3].R1.N1.2 genblk2[2].genblk1[3].R2.N1.2 genblk2[3].genblk1[0].D.DECAP.C.1 genblk2[3].genblk1[0].L.NOT1.N1.2 genblk2[3].genblk1[0].L.NOT2.N1.2 genblk2[3].genblk1[0].L.NOT3.N1.2 genblk2[3].genblk1[0].R1.N1.2 genblk2[3].genblk1[0].R2.N1.2 genblk2[3].genblk1[1].D.DECAP.C.2 genblk2[3].genblk1[1].L.NOT1.N1.2 genblk2[3].genblk1[1].L.NOT2.N1.2 genblk2[3].genblk1[1].L.NOT3.N1.2 genblk2[3].genblk1[1].R1.N1.2 genblk2[3].genblk1[1].R2.N1.2 genblk2[3].genblk1[2].D.DECAP.C.1 genblk2[3].genblk1[2].L.NOT1.N1.2 genblk2[3].genblk1[2].L.NOT2.N1.2 genblk2[3].genblk1[2].L.NOT3.N1.2 genblk2[3].genblk1[2].R1.N1.2 genblk2[3].genblk1[2].R2.N1.2 genblk2[3].genblk1[3].D.DECAP.C.2 genblk2[3].genblk1[3].L.NOT1.N1.2 genblk2[3].genblk1[3].L.NOT2.N1.2 genblk2[3].genblk1[3].L.NOT3.N1.2 genblk2[3].genblk1[3].R1.N1.2 genblk2[3].genblk1[3].R2.N1.2 JN0.1 JN0.2 JN0.3 JN0.4 JN0.5 JN0.6 JN0.7 JN0.8 JN0.9 JN0.10 JN0.11 JN0.12 JN0.13 JN0.14 JN0.15 JN0.16 JSupply1.1 JSupply2.1 JSupply3.1 JSupply4.1 NAND2_1.N1.2 NAND2_2.N1.2 NAND2_3.N1.2 NAND2_4.N1.2 NAND3_1.N1.2 NAND3_2.N1.2 NAND4_1.N1.2 NOR2_1.N1.2 NOR2_1.N2.2 NOR2_2.N1.2 NOR2_2.N2.2 NOR2_3.N1.2 NOR2_3.N2.2 NOR2_4.N1.2 NOR2_4.N2.2 NOR3_1.N1.2 NOR3_1.N2.2 NOR3_1.N3.2 NOR3_2.N1.2 NOR3_2.N2.2 NOR3_2.N3.2 NOR4_1.N1.2 NOR4_1.N2.2 NOR4_1.N3.2 NOR4_1.N4.2 NOT_1.N1.2 NOT_2.N1.2 NOT_3.N1.2 NOT_4.N1.2 OAI21_1.N1.2 OAI22_1.N1.2 OAI22_1.N2.2 OAI211_1.N1.2 REF**.1 REF**#2.1 REF**#3.1 REF**#4.1 TINV_1.N1.2 TINV_2.N1.2 TINV_3.N1.2 TINV_4.N1.2
VDD: AOI21_1.P2.2 AOI21_1.P3.2 AOI22_1.P3.2 AOI22_1.P4.2 AOI211_1.P1.2 DECAP1.1 DECAP2.1 DECAP3.1 DECAP4.1 DECAP_1.C.2 DECAP_2.C.2 DECAP_3.C.2 DECAP_4.C.2 DECAP_5.C.2 DECAP_6.C.2 DECAP_7.C.2 DECAP_8.C.2 DECAP_10.C.2 DECAP_11.C.2 DECAP_13.C.2 DECAP_14.C.2 DECAP_15.C.2 DECAP_16.C.2 DECAP_17.C.2 DECAP_18.C.2 DECAP_LED_12.DECAP.C.1 DECAP_LED_19.DECAP.C.1 genblk2[0].genblk1[0].D.DECAP.C.2 genblk2[0].genblk1[0].L.NOT1.P1.2 genblk2[0].genblk1[0].L.NOT2.P1.2 genblk2[0].genblk1[0].L.NOT3.P1.2 genblk2[0].genblk1[0].R1.P1.2 genblk2[0].genblk1[0].R2.P1.2 genblk2[0].genblk1[1].D.DECAP.C.1 genblk2[0].genblk1[1].L.NOT1.P1.2 genblk2[0].genblk1[1].L.NOT2.P1.2 genblk2[0].genblk1[1].L.NOT3.P1.2 genblk2[0].genblk1[1].R1.P1.2 genblk2[0].genblk1[1].R2.P1.2 genblk2[0].genblk1[2].D.DECAP.C.2 genblk2[0].genblk1[2].L.NOT1.P1.2 genblk2[0].genblk1[2].L.NOT2.P1.2 genblk2[0].genblk1[2].L.NOT3.P1.2 genblk2[0].genblk1[2].R1.P1.2 genblk2[0].genblk1[2].R2.P1.2 genblk2[0].genblk1[3].D.DECAP.C.1 genblk2[0].genblk1[3].L.NOT1.P1.2 genblk2[0].genblk1[3].L.NOT2.P1.2 genblk2[0].genblk1[3].L.NOT3.P1.2 genblk2[0].genblk1[3].R1.P1.2 genblk2[0].genblk1[3].R2.P1.2 genblk2[1].genblk1[0].D.DECAP.C.2 genblk2[1].genblk1[0].L.NOT1.P1.2 genblk2[1].genblk1[0].L.NOT2.P1.2 genblk2[1].genblk1[0].L.NOT3.P1.2 genblk2[1].genblk1[0].R1.P1.2 genblk2[1].genblk1[0].R2.P1.2 genblk2[1].genblk1[1].D.DECAP.C.1 genblk2[1].genblk1[1].L.NOT1.P1.2 genblk2[1].genblk1[1].L.NOT2.P1.2 genblk2[1].genblk1[1].L.NOT3.P1.2 genblk2[1].genblk1[1].R1.P1.2 genblk2[1].genblk1[1].R2.P1.2 genblk2[1].genblk1[2].D.DECAP.C.2 genblk2[1].genblk1[2].L.NOT1.P1.2 genblk2[1].genblk1[2].L.NOT2.P1.2 genblk2[1].genblk1[2].L.NOT3.P1.2 genblk2[1].genblk1[2].R1.P1.2 genblk2[1].genblk1[2].R2.P1.2 genblk2[1].genblk1[3].D.DECAP.C.1 genblk2[1].genblk1[3].L.NOT1.P1.2 genblk2[1].genblk1[3].L.NOT2.P1.2 genblk2[1].genblk1[3].L.NOT3.P1.2 genblk2[1].genblk1[3].R1.P1.2 genblk2[1].genblk1[3].R2.P1.2 genblk2[2].genblk1[0].D.DECAP.C.2 genblk2[2].genblk1[0].L.NOT1.P1.2 genblk2[2].genblk1[0].L.NOT2.P1.2 genblk2[2].genblk1[0].L.NOT3.P1.2 genblk2[2].genblk1[0].R1.P1.2 genblk2[2].genblk1[0].R2.P1.2 genblk2[2].genblk1[1].D.DECAP.C.1 genblk2[2].genblk1[1].L.NOT1.P1.2 genblk2[2].genblk1[1].L.NOT2.P1.2 genblk2[2].genblk1[1].L.NOT3.P1.2 genblk2[2].genblk1[1].R1.P1.2 genblk2[2].genblk1[1].R2.P1.2 genblk2[2].genblk1[2].D.DECAP.C.2 genblk2[2].genblk1[2].L.NOT1.P1.2 genblk2[2].genblk1[2].L.NOT2.P1.2 genblk2[2].genblk1[2].L.NOT3.P1.2 genblk2[2].genblk1[2].R1.P1.2 genblk2[2].genblk1[2].R2.P1.2 genblk2[2].genblk1[3].D.DECAP.C.1 genblk2[2].genblk1[3].L.NOT1.P1.2 genblk2[2].genblk1[3].L.NOT2.P1.2 genblk2[2].genblk1[3].L.NOT3.P1.2 genblk2[2].genblk1[3].R1.P1.2 genblk2[2].genblk1[3].R2.P1.2 genblk2[3].genblk1[0].D.DECAP.C.2 genblk2[3].genblk1[0].L.NOT1.P1.2 genblk2[3].genblk1[0].L.NOT2.P1.2 genblk2[3].genblk1[0].L.NOT3.P1.2 genblk2[3].genblk1[0].R1.P1.2 genblk2[3].genblk1[0].R2.P1.2 genblk2[3].genblk1[1].D.DECAP.C.1 genblk2[3].genblk1[1].L.NOT1.P1.2 genblk2[3].genblk1[1].L.NOT2.P1.2 genblk2[3].genblk1[1].L.NOT3.P1.2 genblk2[3].genblk1[1].R1.P1.2 genblk2[3].genblk1[1].R2.P1.2 genblk2[3].genblk1[2].D.DECAP.C.2 genblk2[3].genblk1[2].L.NOT1.P1.2 genblk2[3].genblk1[2].L.NOT2.P1.2 genblk2[3].genblk1[2].L.NOT3.P1.2 genblk2[3].genblk1[2].R1.P1.2 genblk2[3].genblk1[2].R2.P1.2 genblk2[3].genblk1[3].D.DECAP.C.1 genblk2[3].genblk1[3].L.NOT1.P1.2 genblk2[3].genblk1[3].L.NOT2.P1.2 genblk2[3].genblk1[3].L.NOT3.P1.2 genblk2[3].genblk1[3].R1.P1.2 genblk2[3].genblk1[3].R2.P1.2 JP1.1 JP1.2 JP1.3 JP1.4 JP1.5 JP1.6 JP1.7 JP1.8 JP1.9 JP1.10 JP1.11 JP1.12 JP1.13 JP1.14 JP1.15 JP1.16 JSupply1.2 JSupply2.2 JSupply3.2 JSupply4.2 NAND2_1.P1.2 NAND2_1.P2.2 NAND2_2.P1.2 NAND2_2.P2.2 NAND2_3.P1.2 NAND2_3.P2.2 NAND2_4.P1.2 NAND2_4.P2.2 NAND3_1.P1.2 NAND3_1.P2.2 NAND3_1.P3.2 NAND3_2.P1.2 NAND3_2.P2.2 NAND3_2.P3.2 NAND4_1.P1.2 NAND4_1.P2.2 NAND4_1.P3.2 NAND4_1.P4.2 NOR2_1.P1.2 NOR2_2.P1.2 NOR2_3.P1.2 NOR2_4.P1.2 NOR3_1.P3.2 NOR3_2.P3.2 NOR4_1.P4.2 NOT_1.P1.2 NOT_2.P1.2 NOT_3.P1.2 NOT_4.P1.2 OAI21_1.P1.2 OAI21_1.P2.2 OAI22_1.P1.2 OAI22_1.P3.2 OAI211_1.P1.2 OAI211_1.P2.2 OAI211_1.P3.2 TINV_1.P1.2 TINV_2.P1.2 TINV_3.P1.2 TINV_4.P1.2
AOI21_1.intB: AOI21_1.N2.3 AOI21_1.N3.2
AOI21_1.intP: AOI21_1.P1.2 AOI21_1.P2.3 AOI21_1.P3.3
AOI22_1.intA: AOI22_1.N1.3 AOI22_1.N2.2
AOI22_1.intB: AOI22_1.N3.3 AOI22_1.N4.2
AOI22_1.intP: AOI22_1.P1.2 AOI22_1.P2.2 AOI22_1.P3.3 AOI22_1.P4.3
AOI211_1.intC: AOI211_1.N3.3 AOI211_1.N4.2
AOI211_1.intPA: AOI211_1.P1.3 AOI211_1.P2.2
AOI211_1.intPB: AOI211_1.P2.3 AOI211_1.P3.2 AOI211_1.P4.2
DECAP_LED_12.i: DECAP_LED_12.L.1 DECAP_LED_12.R.1
DECAP_LED_19.i: DECAP_LED_19.L.1 DECAP_LED_19.R.1
genblk2[0].genblk1[0].D.i: genblk2[0].genblk1[0].D.L.1 genblk2[0].genblk1[0].D.R.1
genblk2[0].genblk1[0].L.NOT1.intN: genblk2[0].genblk1[0].L.NOT1.N1.3 genblk2[0].genblk1[0].L.NOT1.N2.2
genblk2[0].genblk1[0].L.NOT1.intP: genblk2[0].genblk1[0].L.NOT1.P1.3 genblk2[0].genblk1[0].L.NOT1.P2.2
genblk2[0].genblk1[0].L.NOT3.intN: genblk2[0].genblk1[0].L.NOT3.N1.3 genblk2[0].genblk1[0].L.NOT3.N2.2
genblk2[0].genblk1[0].L.NOT3.intP: genblk2[0].genblk1[0].L.NOT3.P1.3 genblk2[0].genblk1[0].L.NOT3.P2.2
genblk2[0].genblk1[0].nQ: genblk2[0].genblk1[0].L.NOT1.N2.3 genblk2[0].genblk1[0].L.NOT1.P2.3 genblk2[0].genblk1[0].L.NOT2.N1.1 genblk2[0].genblk1[0].L.NOT2.P1.1 genblk2[0].genblk1[0].L.NOT3.N2.3 genblk2[0].genblk1[0].L.NOT3.P2.3 genblk2[0].genblk1[0].R1.N1.1 genblk2[0].genblk1[0].R1.P1.1 genblk2[0].genblk1[0].R2.N1.1 genblk2[0].genblk1[0].R2.P1.1
genblk2[0].genblk1[0].Q: genblk2[0].genblk1[0].D.L.2 genblk2[0].genblk1[0].L.NOT2.N1.3 genblk2[0].genblk1[0].L.NOT2.P1.3 genblk2[0].genblk1[0].L.NOT3.N1.1 genblk2[0].genblk1[0].L.NOT3.P1.1
genblk2[0].genblk1[0].R1.intN: genblk2[0].genblk1[0].R1.N1.3 genblk2[0].genblk1[0].R1.N2.2
genblk2[0].genblk1[0].R1.intP: genblk2[0].genblk1[0].R1.P1.3 genblk2[0].genblk1[0].R1.P2.2
genblk2[0].genblk1[0].R2.intN: genblk2[0].genblk1[0].R2.N1.3 genblk2[0].genblk1[0].R2.N2.2
genblk2[0].genblk1[0].R2.intP: genblk2[0].genblk1[0].R2.P1.3 genblk2[0].genblk1[0].R2.P2.2
genblk2[0].genblk1[1].D.i: genblk2[0].genblk1[1].D.L.1 genblk2[0].genblk1[1].D.R.1
genblk2[0].genblk1[1].L.NOT1.intN: genblk2[0].genblk1[1].L.NOT1.N1.3 genblk2[0].genblk1[1].L.NOT1.N2.2
genblk2[0].genblk1[1].L.NOT1.intP: genblk2[0].genblk1[1].L.NOT1.P1.3 genblk2[0].genblk1[1].L.NOT1.P2.2
genblk2[0].genblk1[1].L.NOT3.intN: genblk2[0].genblk1[1].L.NOT3.N1.3 genblk2[0].genblk1[1].L.NOT3.N2.2
genblk2[0].genblk1[1].L.NOT3.intP: genblk2[0].genblk1[1].L.NOT3.P1.3 genblk2[0].genblk1[1].L.NOT3.P2.2
genblk2[0].genblk1[1].nQ: genblk2[0].genblk1[1].L.NOT1.N2.3 genblk2[0].genblk1[1].L.NOT1.P2.3 genblk2[0].genblk1[1].L.NOT2.N1.1 genblk2[0].genblk1[1].L.NOT2.P1.1 genblk2[0].genblk1[1].L.NOT3.N2.3 genblk2[0].genblk1[1].L.NOT3.P2.3 genblk2[0].genblk1[1].R1.N1.1 genblk2[0].genblk1[1].R1.P1.1 genblk2[0].genblk1[1].R2.N1.1 genblk2[0].genblk1[1].R2.P1.1
genblk2[0].genblk1[1].Q: genblk2[0].genblk1[1].D.L.2 genblk2[0].genblk1[1].L.NOT2.N1.3 genblk2[0].genblk1[1].L.NOT2.P1.3 genblk2[0].genblk1[1].L.NOT3.N1.1 genblk2[0].genblk1[1].L.NOT3.P1.1
genblk2[0].genblk1[1].R1.intN: genblk2[0].genblk1[1].R1.N1.3 genblk2[0].genblk1[1].R1.N2.2
genblk2[0].genblk1[1].R1.intP: genblk2[0].genblk1[1].R1.P1.3 genblk2[0].genblk1[1].R1.P2.2
genblk2[0].genblk1[1].R2.intN: genblk2[0].genblk1[1].R2.N1.3 genblk2[0].genblk1[1].R2.N2.2
genblk2[0].genblk1[1].R2.intP: genblk2[0].genblk1[1].R2.P1.3 genblk2[0].genblk1[1].R2.P2.2
genblk2[0].genblk1[2].D.i: genblk2[0].genblk1[2].D.L.1 genblk2[0].genblk1[2].D.R.1
genblk2[0].genblk1[2].L.NOT1.intN: genblk2[0].genblk1[2].L.NOT1.N1.3 genblk2[0].genblk1[2].L.NOT1.N2.2
genblk2[0].genblk1[2].L.NOT1.intP: genblk2[0].genblk1[2].L.NOT1.P1.3 genblk2[0].genblk1[2].L.NOT1.P2.2
